# KiCad board I2CShimForPico-panel.kicad_pcb
title: I2C SHIM for Pico; date: 2025-05-10; rev: 1.0; company: Salvatore La Bua
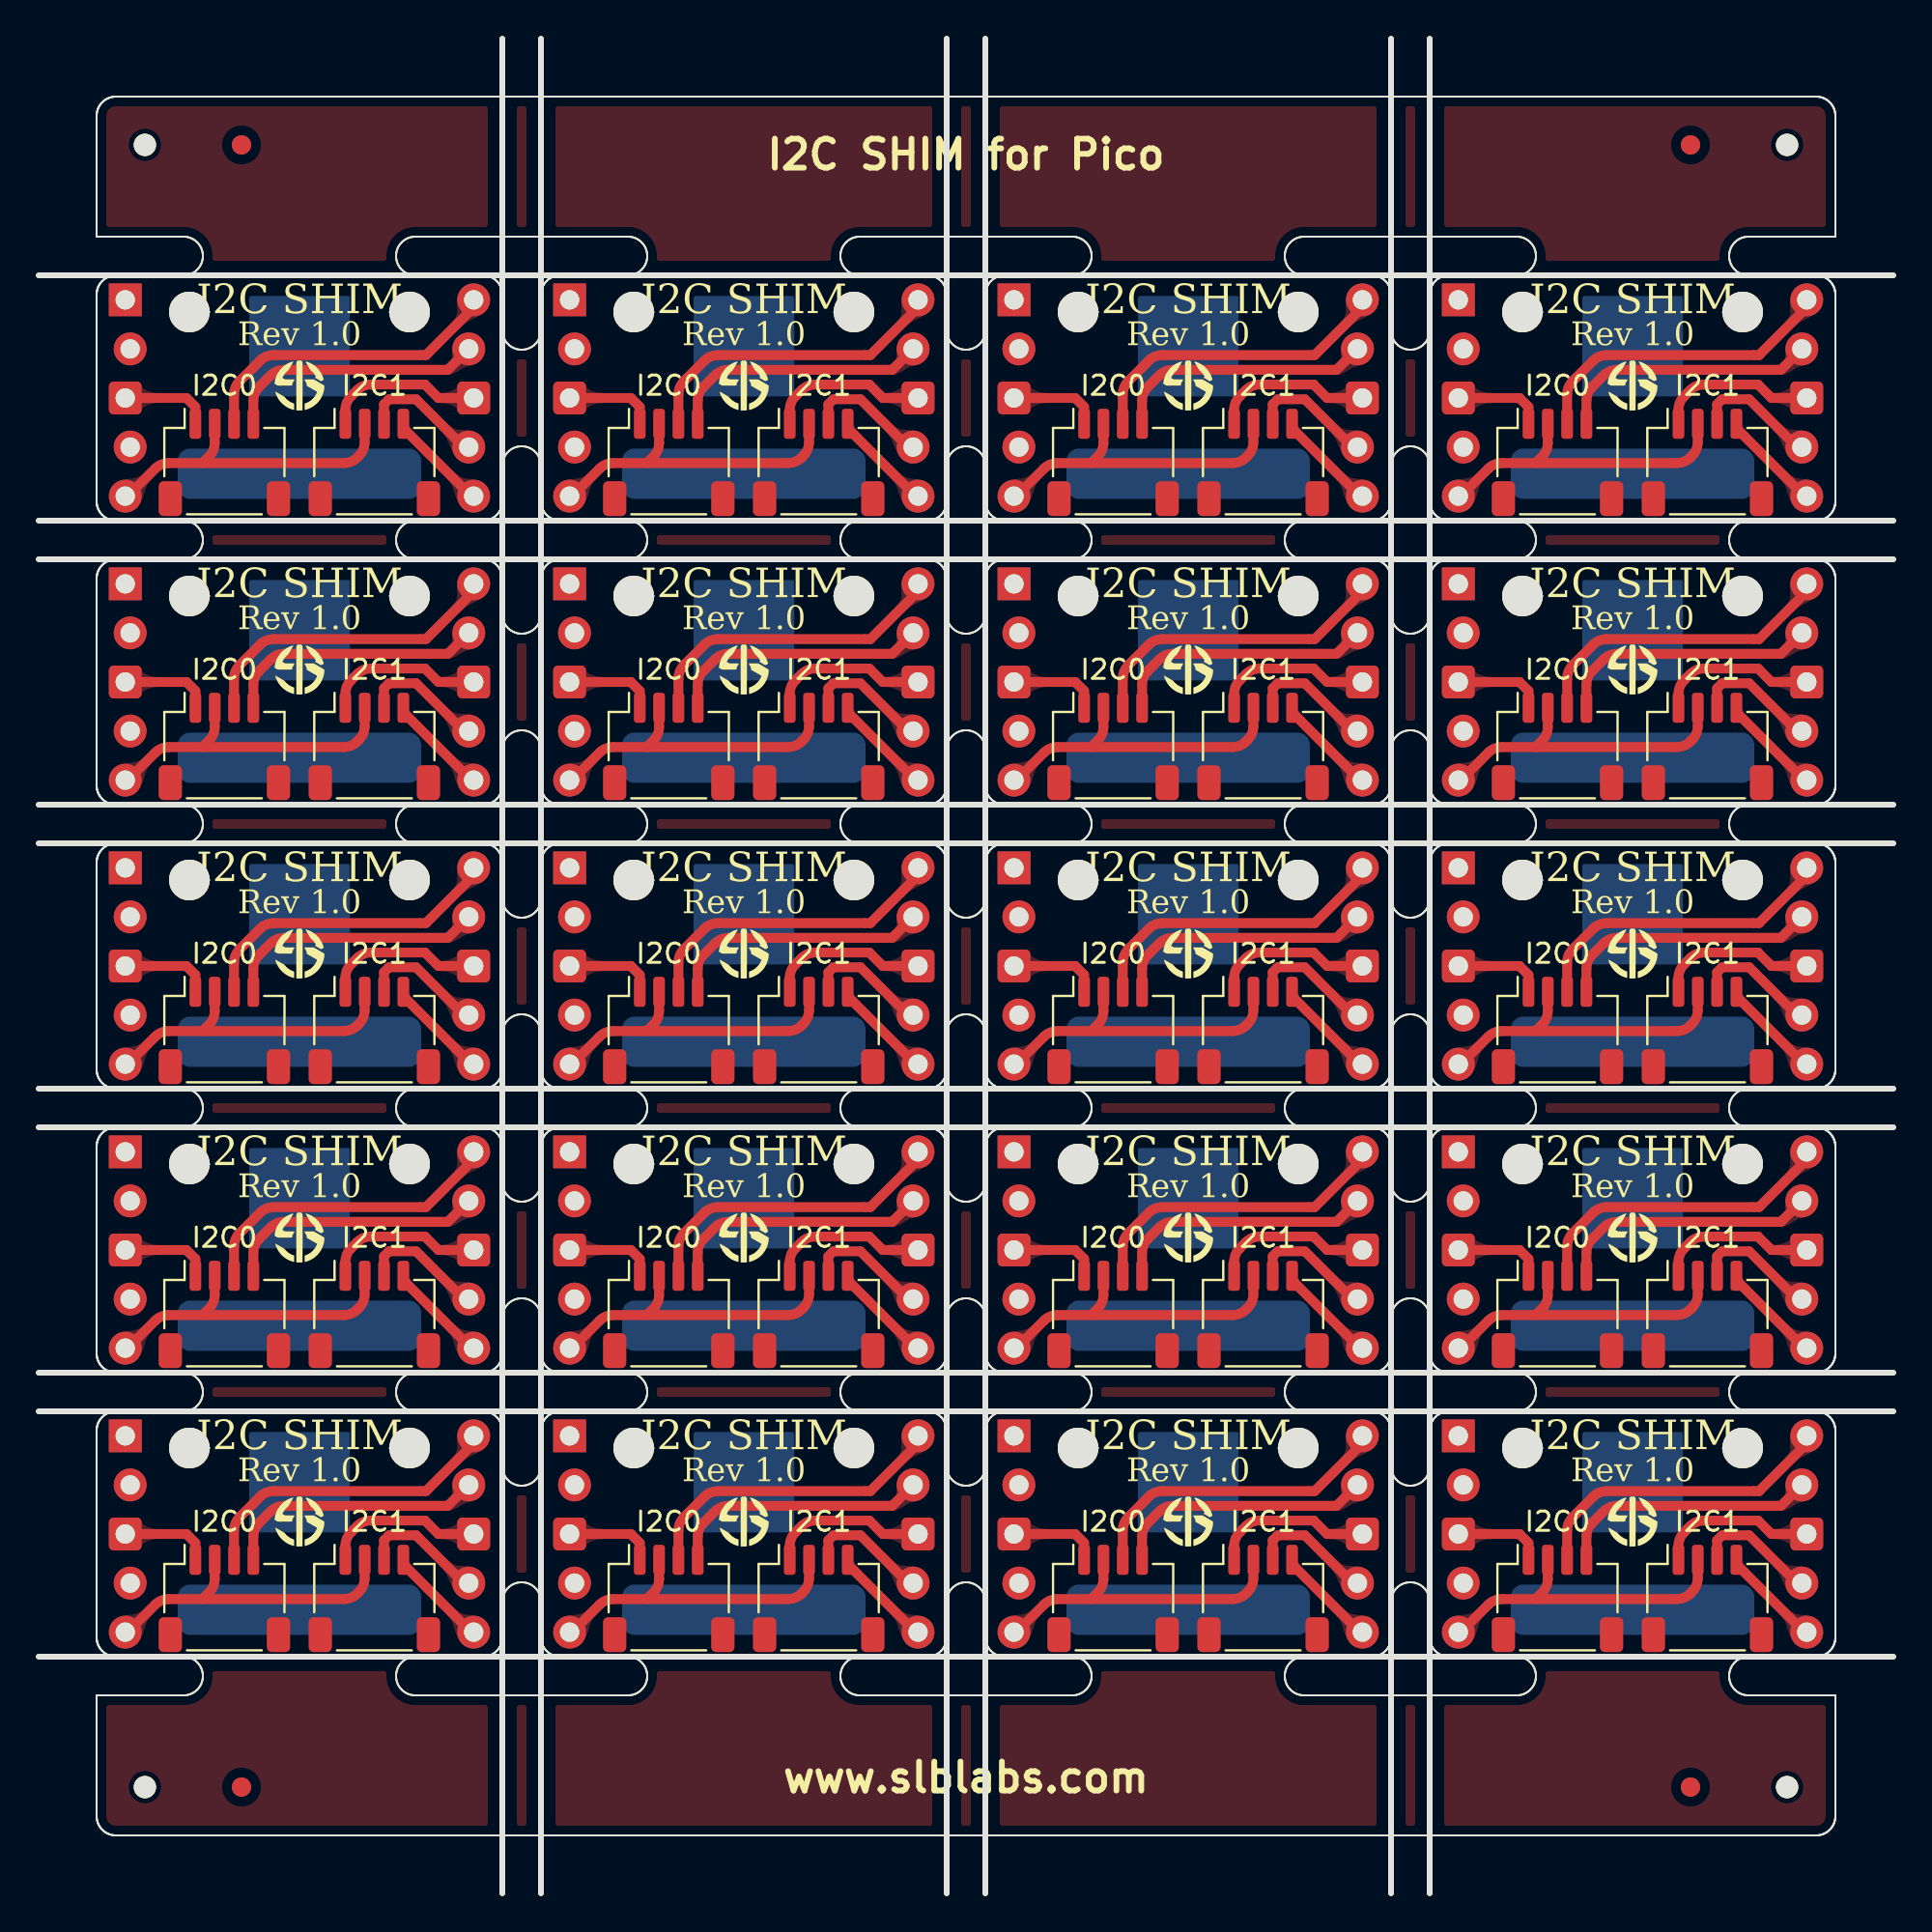
[diagram p0: board, top side]
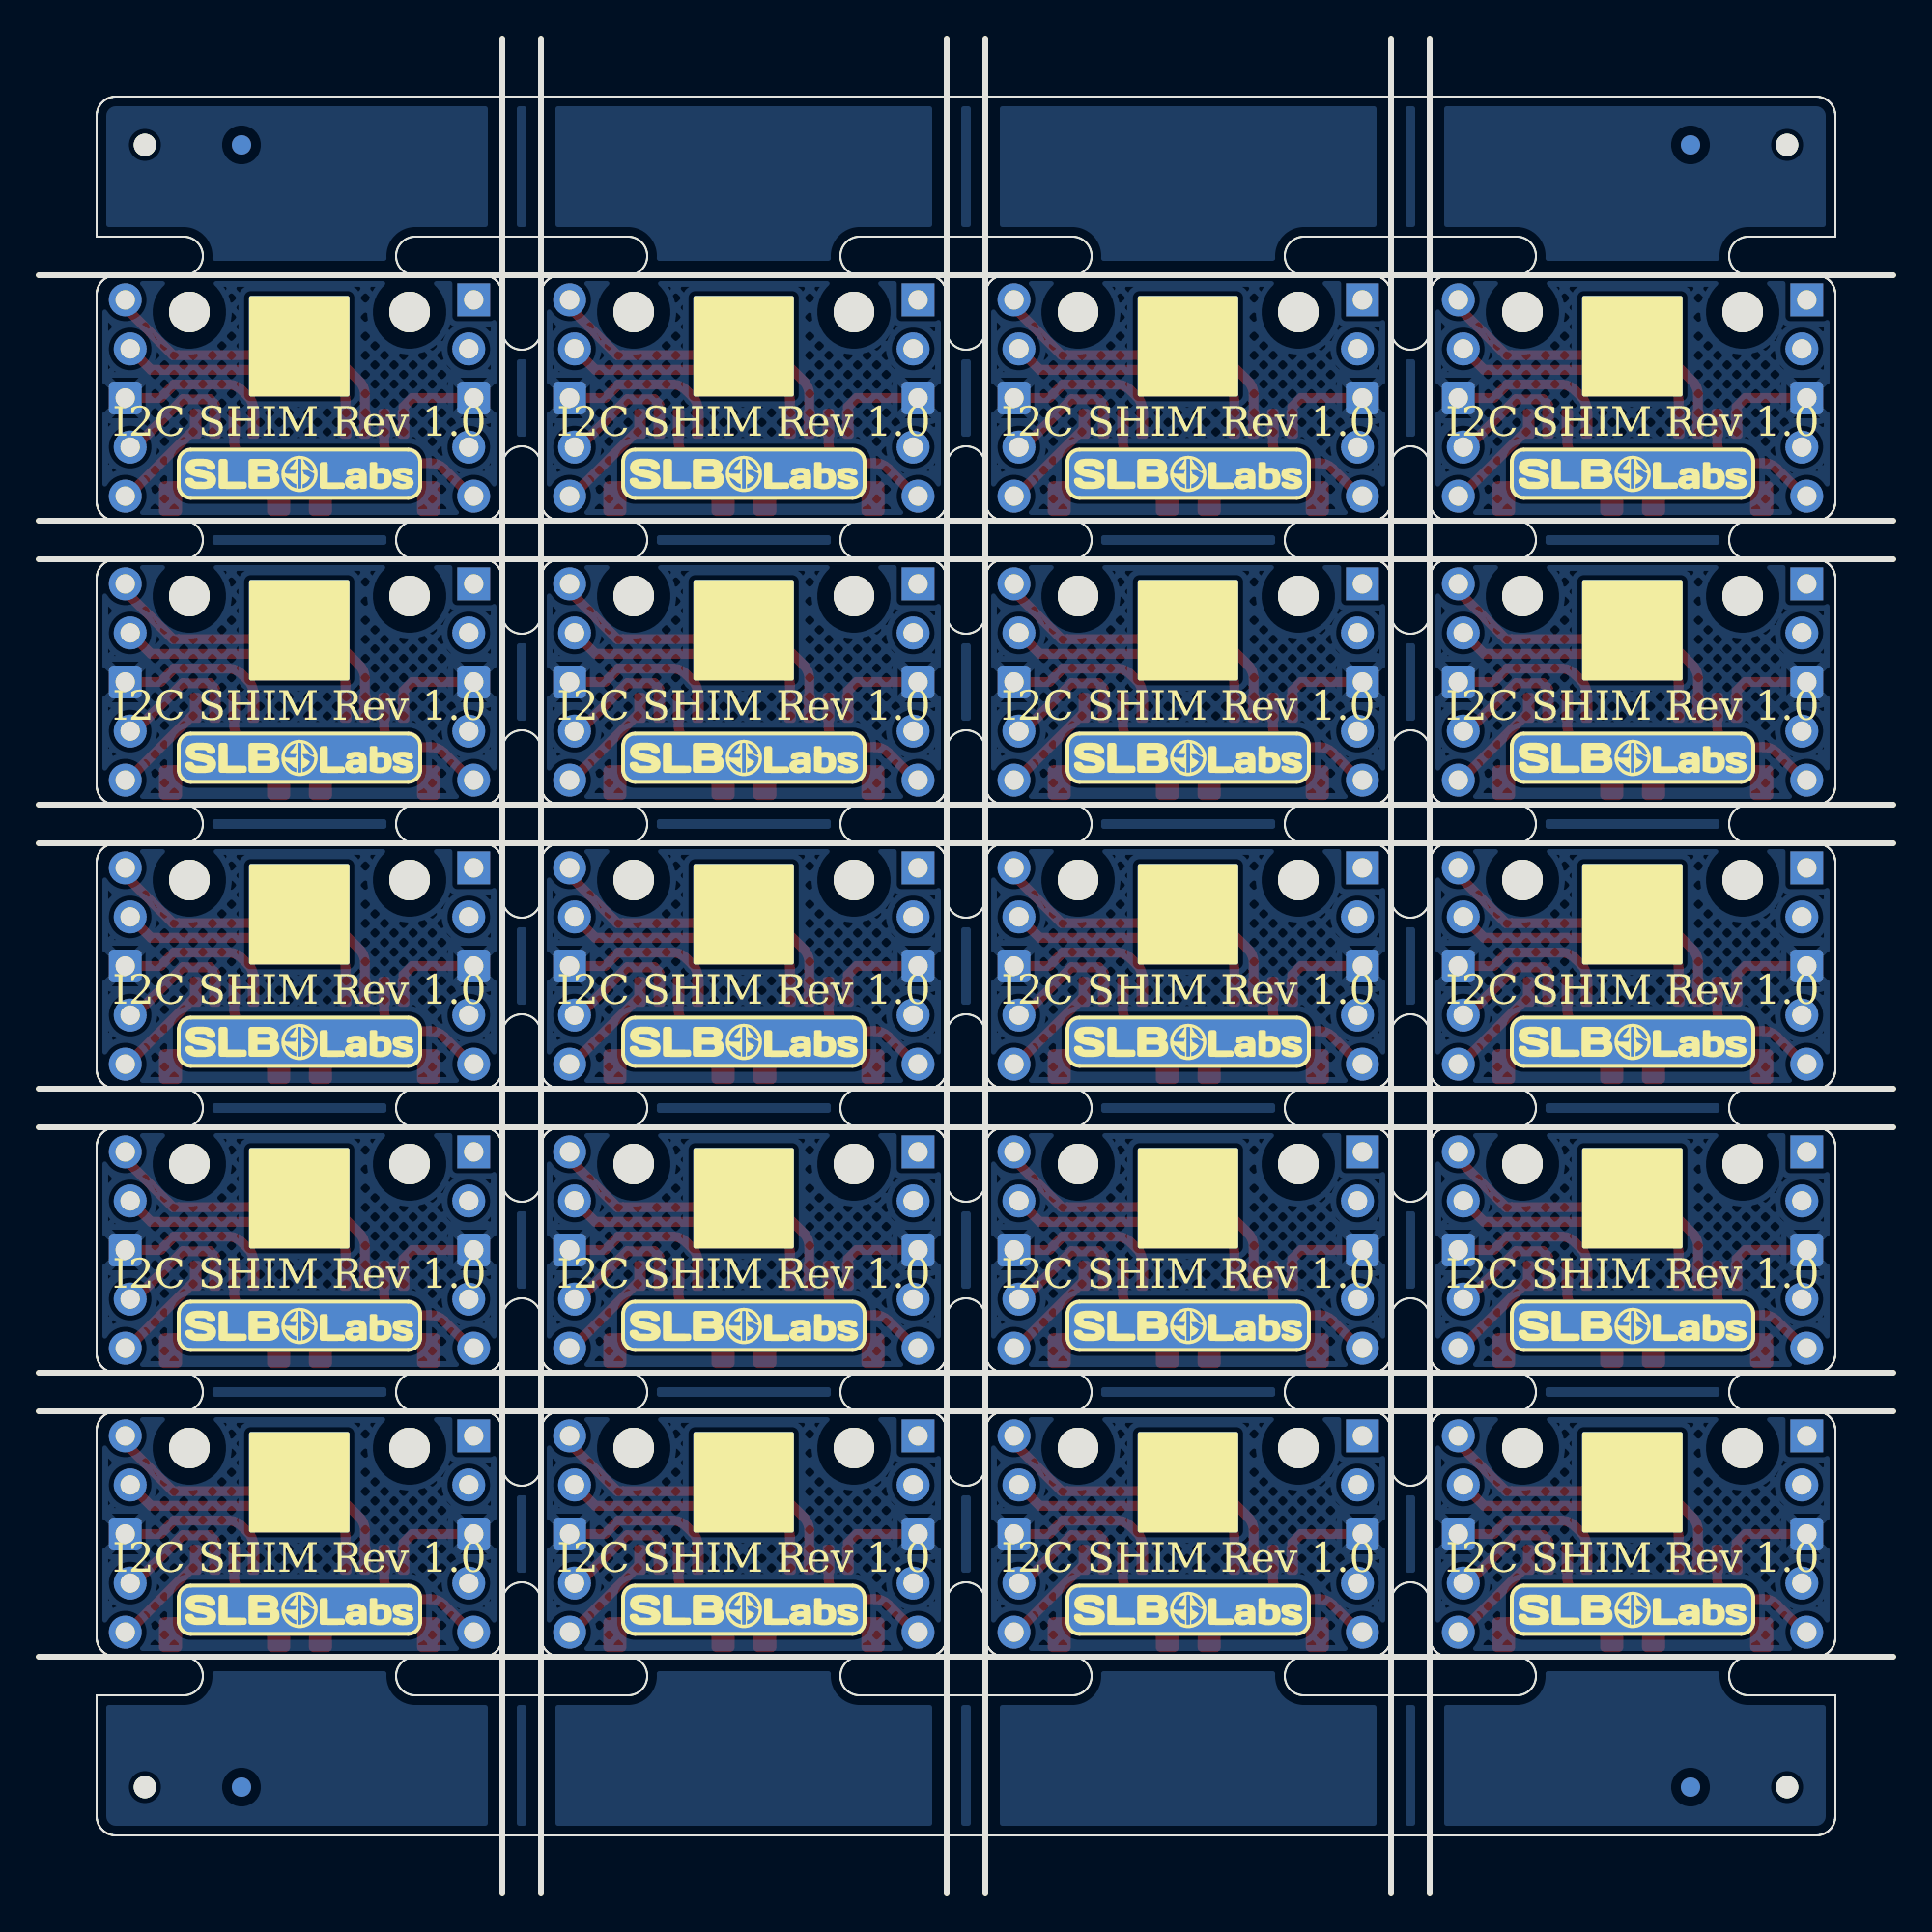
[diagram p1: board, bottom side, seen from below]

Outline 96 x 96 mm; copper layers: Top, Bottom. Coordinates in mm from the lower left corner of the outline.
Stack: Top 0.035mm / dielectric 0.91mm FR4 er 4.5 / Bottom 0.035mm

## Placement (name value [footprint] x y rotation side)
G***  -  [SLBLabs LOGO full w-border]  36.5 14.68 180 bottom
G***#2  -  [SLBLabs LOGO full w-border]  36.5 44.08 180 bottom
G***#3  -  [SLBLabs LOGO full w-border]  59.5 73.48 180 bottom
G***#4  -  [SLBLabs LOGO full w-border]  82.5 44.08 180 bottom
G***#5  -  [SLBLabs LOGO full w-border]  13.5 58.78 180 bottom
G***#6  -  [SLBLabs LOGO full w-border]  13.5 29.38 180 bottom
G***#7  -  [SLBLabs LOGO full w-border]  82.5 58.78 180 bottom
G***#8  -  [SLBLabs LOGO full w-border]  82.5 29.38 180 bottom
G***#9  -  [SLBLabs LOGO full w-border]  59.5 44.08 180 bottom
G***#10  -  [SLBLabs LOGO full w-border]  59.5 58.78 180 bottom
G***#11  -  [SLBLabs LOGO full w-border]  82.5 73.48 180 bottom
G***#12  -  [SLBLabs LOGO full w-border]  36.5 29.38 180 bottom
G***#13  -  [SLBLabs LOGO full w-border]  13.5 73.48 180 bottom
G***#14  -  [SLBLabs LOGO full w-border]  13.5 44.08 180 bottom
G***#15  -  [SLBLabs LOGO full w-border]  36.5 58.78 180 bottom
G***#16  -  [SLBLabs LOGO full w-border]  82.5 14.68 180 bottom
G***#17  -  [SLBLabs LOGO full w-border]  36.5 73.48 180 bottom
G***#18  -  [SLBLabs LOGO full w-border]  59.5 29.38 180 bottom
G***#19  -  [SLBLabs LOGO full w-border]  59.5 14.68 180 bottom
G***#20  -  [SLBLabs LOGO full w-border]  13.5 14.68 180 bottom
J1  Conn_01x05_Pin  [PinHeader_1x05_P2.54mm_Vertical]  50.61 67.78 0 top
J1#2  Conn_01x05_Pin  [PinHeader_1x05_P2.54mm_Vertical]  50.61 23.68 0 top
J1#3  Conn_01x05_Pin  [PinHeader_1x05_P2.54mm_Vertical]  4.61 53.08 0 top
J1#4  Conn_01x05_Pin  [PinHeader_1x05_P2.54mm_Vertical]  4.61 38.38 0 top
J1#5  Conn_01x05_Pin  [PinHeader_1x05_P2.54mm_Vertical]  73.61 23.68 0 top
J1#6  Conn_01x05_Pin  [PinHeader_1x05_P2.54mm_Vertical]  50.61 82.48 0 top
J1#7  Conn_01x05_Pin  [PinHeader_1x05_P2.54mm_Vertical]  50.61 38.38 0 top
J1#8  Conn_01x05_Pin  [PinHeader_1x05_P2.54mm_Vertical]  27.61 23.68 0 top
J1#9  Conn_01x05_Pin  [PinHeader_1x05_P2.54mm_Vertical]  4.61 67.78 0 top
J1#10  Conn_01x05_Pin  [PinHeader_1x05_P2.54mm_Vertical]  27.61 67.78 0 top
J1#11  Conn_01x05_Pin  [PinHeader_1x05_P2.54mm_Vertical]  73.61 82.48 0 top
J1#12  Conn_01x05_Pin  [PinHeader_1x05_P2.54mm_Vertical]  73.61 38.38 0 top
J1#13  Conn_01x05_Pin  [PinHeader_1x05_P2.54mm_Vertical]  27.61 53.08 0 top
J1#14  Conn_01x05_Pin  [PinHeader_1x05_P2.54mm_Vertical]  4.61 82.48 0 top
J1#15  Conn_01x05_Pin  [PinHeader_1x05_P2.54mm_Vertical]  73.61 67.78 0 top
J1#16  Conn_01x05_Pin  [PinHeader_1x05_P2.54mm_Vertical]  27.61 38.38 0 top
J1#17  Conn_01x05_Pin  [PinHeader_1x05_P2.54mm_Vertical]  27.61 82.48 0 top
J1#18  Conn_01x05_Pin  [PinHeader_1x05_P2.54mm_Vertical]  50.61 53.08 0 top
J1#19  Conn_01x05_Pin  [PinHeader_1x05_P2.54mm_Vertical]  73.61 53.08 0 top
J1#20  Conn_01x05_Pin  [PinHeader_1x05_P2.54mm_Vertical]  4.61 23.68 0 top
J2  Conn_01x05_Pin  [PinHeader_1x05_P2.54mm_Vertical#2]  91.39 38.38 0 top
J2#2  Conn_01x05_Pin  [PinHeader_1x05_P2.54mm_Vertical#2]  45.39 67.78 0 top
J2#3  Conn_01x05_Pin  [PinHeader_1x05_P2.54mm_Vertical#2]  22.39 23.68 0 top
J2#4  Conn_01x05_Pin  [PinHeader_1x05_P2.54mm_Vertical#2]  91.39 67.78 0 top
J2#5  Conn_01x05_Pin  [PinHeader_1x05_P2.54mm_Vertical#2]  91.39 23.68 0 top
J2#6  Conn_01x05_Pin  [PinHeader_1x05_P2.54mm_Vertical#2]  45.39 23.68 0 top
J2#7  Conn_01x05_Pin  [PinHeader_1x05_P2.54mm_Vertical#2]  22.39 38.38 0 top
J2#8  Conn_01x05_Pin  [PinHeader_1x05_P2.54mm_Vertical#2]  22.39 53.08 0 top
J2#9  Conn_01x05_Pin  [PinHeader_1x05_P2.54mm_Vertical#2]  22.39 67.78 0 top
J2#10  Conn_01x05_Pin  [PinHeader_1x05_P2.54mm_Vertical#2]  68.39 23.68 0 top
J2#11  Conn_01x05_Pin  [PinHeader_1x05_P2.54mm_Vertical#2]  45.39 53.08 0 top
J2#12  Conn_01x05_Pin  [PinHeader_1x05_P2.54mm_Vertical#2]  68.39 82.48 0 top
J2#13  Conn_01x05_Pin  [PinHeader_1x05_P2.54mm_Vertical#2]  68.39 53.08 0 top
J2#14  Conn_01x05_Pin  [PinHeader_1x05_P2.54mm_Vertical#2]  68.39 38.38 0 top
J2#15  Conn_01x05_Pin  [PinHeader_1x05_P2.54mm_Vertical#2]  68.39 67.78 0 top
J2#16  Conn_01x05_Pin  [PinHeader_1x05_P2.54mm_Vertical#2]  45.39 82.48 0 top
J2#17  Conn_01x05_Pin  [PinHeader_1x05_P2.54mm_Vertical#2]  91.39 82.48 0 top
J2#18  Conn_01x05_Pin  [PinHeader_1x05_P2.54mm_Vertical#2]  91.39 53.08 0 top
J2#19  Conn_01x05_Pin  [PinHeader_1x05_P2.54mm_Vertical#2]  22.39 82.48 0 top
J2#20  Conn_01x05_Pin  [PinHeader_1x05_P2.54mm_Vertical#2]  45.39 38.38 0 top
J3  Conn_01x04_Socket  [SLB-JST_SH_SM04B-SRSS-TB_1x04-1MP_P1.00mm_Horizontal]  32.61 29.96 0 top
J3#2  Conn_01x04_Socket  [SLB-JST_SH_SM04B-SRSS-TB_1x04-1MP_P1.00mm_Horizontal]  78.61 15.26 0 top
J3#3  Conn_01x04_Socket  [SLB-JST_SH_SM04B-SRSS-TB_1x04-1MP_P1.00mm_Horizontal]  78.61 74.06 0 top
J3#4  Conn_01x04_Socket  [SLB-JST_SH_SM04B-SRSS-TB_1x04-1MP_P1.00mm_Horizontal]  9.61 74.06 0 top
J3#5  Conn_01x04_Socket  [SLB-JST_SH_SM04B-SRSS-TB_1x04-1MP_P1.00mm_Horizontal]  55.61 59.36 0 top
J3#6  Conn_01x04_Socket  [SLB-JST_SH_SM04B-SRSS-TB_1x04-1MP_P1.00mm_Horizontal]  32.61 74.06 0 top
J3#7  Conn_01x04_Socket  [SLB-JST_SH_SM04B-SRSS-TB_1x04-1MP_P1.00mm_Horizontal]  55.61 15.26 0 top
J3#8  Conn_01x04_Socket  [SLB-JST_SH_SM04B-SRSS-TB_1x04-1MP_P1.00mm_Horizontal]  9.61 29.96 0 top
J3#9  Conn_01x04_Socket  [SLB-JST_SH_SM04B-SRSS-TB_1x04-1MP_P1.00mm_Horizontal]  55.61 44.66 0 top
J3#10  Conn_01x04_Socket  [SLB-JST_SH_SM04B-SRSS-TB_1x04-1MP_P1.00mm_Horizontal]  55.61 29.96 0 top
J3#11  Conn_01x04_Socket  [SLB-JST_SH_SM04B-SRSS-TB_1x04-1MP_P1.00mm_Horizontal]  9.61 59.36 0 top
J3#12  Conn_01x04_Socket  [SLB-JST_SH_SM04B-SRSS-TB_1x04-1MP_P1.00mm_Horizontal]  78.61 59.36 0 top
J3#13  Conn_01x04_Socket  [SLB-JST_SH_SM04B-SRSS-TB_1x04-1MP_P1.00mm_Horizontal]  78.61 29.96 0 top
J3#14  Conn_01x04_Socket  [SLB-JST_SH_SM04B-SRSS-TB_1x04-1MP_P1.00mm_Horizontal]  9.61 15.26 0 top
J3#15  Conn_01x04_Socket  [SLB-JST_SH_SM04B-SRSS-TB_1x04-1MP_P1.00mm_Horizontal]  55.61 74.06 0 top
J3#16  Conn_01x04_Socket  [SLB-JST_SH_SM04B-SRSS-TB_1x04-1MP_P1.00mm_Horizontal]  32.61 59.36 0 top
J3#17  Conn_01x04_Socket  [SLB-JST_SH_SM04B-SRSS-TB_1x04-1MP_P1.00mm_Horizontal]  9.61 44.66 0 top
J3#18  Conn_01x04_Socket  [SLB-JST_SH_SM04B-SRSS-TB_1x04-1MP_P1.00mm_Horizontal]  32.61 44.66 0 top
J3#19  Conn_01x04_Socket  [SLB-JST_SH_SM04B-SRSS-TB_1x04-1MP_P1.00mm_Horizontal]  32.61 15.26 0 top
J3#20  Conn_01x04_Socket  [SLB-JST_SH_SM04B-SRSS-TB_1x04-1MP_P1.00mm_Horizontal]  78.61 44.66 0 top
J4  Conn_01x04_Socket  [SLB-JST_SH_SM04B-SRSS-TB_1x04-1MP_P1.00mm_Horizontal]  86.38 44.66 0 top
J4#2  Conn_01x04_Socket  [SLB-JST_SH_SM04B-SRSS-TB_1x04-1MP_P1.00mm_Horizontal]  63.38 44.66 0 top
J4#3  Conn_01x04_Socket  [SLB-JST_SH_SM04B-SRSS-TB_1x04-1MP_P1.00mm_Horizontal]  17.38 15.26 0 top
J4#4  Conn_01x04_Socket  [SLB-JST_SH_SM04B-SRSS-TB_1x04-1MP_P1.00mm_Horizontal]  17.38 44.66 0 top
J4#5  Conn_01x04_Socket  [SLB-JST_SH_SM04B-SRSS-TB_1x04-1MP_P1.00mm_Horizontal]  86.38 59.36 0 top
J4#6  Conn_01x04_Socket  [SLB-JST_SH_SM04B-SRSS-TB_1x04-1MP_P1.00mm_Horizontal]  86.38 74.06 0 top
J4#7  Conn_01x04_Socket  [SLB-JST_SH_SM04B-SRSS-TB_1x04-1MP_P1.00mm_Horizontal]  63.38 15.26 0 top
J4#8  Conn_01x04_Socket  [SLB-JST_SH_SM04B-SRSS-TB_1x04-1MP_P1.00mm_Horizontal]  63.38 29.96 0 top
J4#9  Conn_01x04_Socket  [SLB-JST_SH_SM04B-SRSS-TB_1x04-1MP_P1.00mm_Horizontal]  17.38 74.06 0 top
J4#10  Conn_01x04_Socket  [SLB-JST_SH_SM04B-SRSS-TB_1x04-1MP_P1.00mm_Horizontal]  40.38 74.06 0 top
J4#11  Conn_01x04_Socket  [SLB-JST_SH_SM04B-SRSS-TB_1x04-1MP_P1.00mm_Horizontal]  40.38 59.36 0 top
J4#12  Conn_01x04_Socket  [SLB-JST_SH_SM04B-SRSS-TB_1x04-1MP_P1.00mm_Horizontal]  40.38 29.96 0 top
J4#13  Conn_01x04_Socket  [SLB-JST_SH_SM04B-SRSS-TB_1x04-1MP_P1.00mm_Horizontal]  63.38 59.36 0 top
J4#14  Conn_01x04_Socket  [SLB-JST_SH_SM04B-SRSS-TB_1x04-1MP_P1.00mm_Horizontal]  17.38 29.96 0 top
J4#15  Conn_01x04_Socket  [SLB-JST_SH_SM04B-SRSS-TB_1x04-1MP_P1.00mm_Horizontal]  86.38 29.96 0 top
J4#16  Conn_01x04_Socket  [SLB-JST_SH_SM04B-SRSS-TB_1x04-1MP_P1.00mm_Horizontal]  86.38 15.26 0 top
J4#17  Conn_01x04_Socket  [SLB-JST_SH_SM04B-SRSS-TB_1x04-1MP_P1.00mm_Horizontal]  17.38 59.36 0 top
J4#18  Conn_01x04_Socket  [SLB-JST_SH_SM04B-SRSS-TB_1x04-1MP_P1.00mm_Horizontal]  63.38 74.06 0 top
J4#19  Conn_01x04_Socket  [SLB-JST_SH_SM04B-SRSS-TB_1x04-1MP_P1.00mm_Horizontal]  40.38 44.66 0 top
J4#20  Conn_01x04_Socket  [SLB-JST_SH_SM04B-SRSS-TB_1x04-1MP_P1.00mm_Horizontal]  40.38 15.26 0 top
KiKit_FID_B_1  -  [Fiducial]  10.5 90.5 180 bottom
KiKit_FID_B_2  -  [Fiducial]  85.5 90.5 180 bottom
KiKit_FID_B_3  -  [Fiducial]  10.5 5.5 180 bottom
KiKit_FID_B_4  -  [Fiducial]  85.5 5.5 180 bottom
KiKit_FID_T_1  -  [Fiducial]  10.5 90.5 0 top
KiKit_FID_T_2  -  [Fiducial]  85.5 90.5 0 top
KiKit_FID_T_3  -  [Fiducial]  10.5 5.5 0 top
KiKit_FID_T_4  -  [Fiducial]  85.5 5.5 0 top
KiKit_TO_1  -  [NPTH]  5.5 90.5 0 top
KiKit_TO_2  -  [NPTH]  90.5 90.5 0 top
KiKit_TO_3  -  [NPTH]  5.5 5.5 0 top
KiKit_TO_4  -  [NPTH]  90.5 5.5 0 top
Ref**  -  [SLBLabs LOGO only]  13.5 78.04 0 top
REF**  -  [MountingHole_2.1mm]  42.2 67.15 0 top
Ref**#2  -  [SLBLabs LOGO only]  36.5 48.64 0 top
REF**#2  -  [MountingHole_2.1mm]  30.8 81.85 0 top
Ref**#3  -  [SLBLabs LOGO only]  59.5 19.24 0 top
REF**#3  -  [MountingHole_2.1mm]  30.8 23.05 0 top
REF**#4  -  [MountingHole_2.1mm]  76.8 23.05 0 top
Ref**#4  -  [SLBLabs LOGO only]  59.5 33.94 0 top
REF**#5  -  [MountingHole_2.1mm]  65.2 37.75 0 top
Ref**#5  -  [SLBLabs LOGO only]  59.5 63.34 0 top
REF**#6  -  [MountingHole_2.1mm]  19.2 52.45 0 top
Ref**#6  -  [SLBLabs LOGO only]  36.5 33.94 0 top
REF**#7  -  [MountingHole_2.1mm]  65.2 23.05 0 top
Ref**#7  -  [SLBLabs LOGO only]  13.5 48.64 0 top
REF**#8  -  [MountingHole_2.1mm]  7.8 81.85 0 top
Ref**#8  -  [SLBLabs LOGO only]  13.5 63.34 0 top
REF**#9  -  [MountingHole_2.1mm]  42.2 23.05 0 top
Ref**#9  -  [SLBLabs LOGO only]  36.5 63.34 0 top
REF**#10  -  [MountingHole_2.1mm]  53.8 37.75 0 top
Ref**#10  -  [SLBLabs LOGO only]  82.5 19.24 0 top
REF**#11  -  [MountingHole_2.1mm]  76.8 81.85 0 top
Ref**#11  -  [SLBLabs LOGO only]  82.5 78.04 0 top
REF**#12  -  [MountingHole_2.1mm]  65.2 81.85 0 top
Ref**#12  -  [SLBLabs LOGO only]  82.5 48.64 0 top
REF**#13  -  [MountingHole_2.1mm]  30.8 37.75 0 top
Ref**#13  -  [SLBLabs LOGO only]  13.5 33.94 0 top
REF**#14  -  [MountingHole_2.1mm]  30.8 52.45 0 top
Ref**#14  -  [SLBLabs LOGO only]  59.5 78.04 0 top
REF**#15  -  [MountingHole_2.1mm]  65.2 52.45 0 top
Ref**#15  -  [SLBLabs LOGO only]  13.5 19.24 0 top
REF**#16  -  [MountingHole_2.1mm]  88.2 52.45 0 top
Ref**#16  -  [SLBLabs LOGO only]  36.5 78.04 0 top
REF**#17  -  [MountingHole_2.1mm]  53.8 81.85 0 top
Ref**#17  -  [SLBLabs LOGO only]  82.5 63.34 0 top
REF**#18  -  [MountingHole_2.1mm]  7.8 67.15 0 top
Ref**#18  -  [SLBLabs LOGO only]  36.5 19.24 0 top
REF**#19  -  [MountingHole_2.1mm]  42.2 52.45 0 top
Ref**#19  -  [SLBLabs LOGO only]  82.5 33.94 0 top
REF**#20  -  [MountingHole_2.1mm]  53.8 67.15 0 top
Ref**#20  -  [SLBLabs LOGO only]  59.5 48.64 0 top
REF**#21  -  [MountingHole_2.1mm]  19.2 81.85 0 top
REF**#22  -  [MountingHole_2.1mm]  88.2 67.15 0 top
REF**#23  -  [MountingHole_2.1mm]  53.8 23.05 0 top
REF**#24  -  [MountingHole_2.1mm]  76.8 37.75 0 top
REF**#25  -  [MountingHole_2.1mm]  19.2 23.05 0 top
REF**#26  -  [MountingHole_2.1mm]  19.2 37.75 0 top
REF**#27  -  [MountingHole_2.1mm]  88.2 37.75 0 top
REF**#28  -  [MountingHole_2.1mm]  7.8 37.75 0 top
REF**#29  -  [MountingHole_2.1mm]  19.2 67.15 0 top
REF**#30  -  [MountingHole_2.1mm]  42.2 37.75 0 top
REF**#31  -  [MountingHole_2.1mm]  65.2 67.15 0 top
REF**#32  -  [MountingHole_2.1mm]  88.2 81.85 0 top
REF**#33  -  [MountingHole_2.1mm]  30.8 67.15 0 top
REF**#34  -  [MountingHole_2.1mm]  76.8 67.15 0 top
REF**#35  -  [MountingHole_2.1mm]  88.2 23.05 0 top
REF**#36  -  [MountingHole_2.1mm]  7.8 52.45 0 top
REF**#37  -  [MountingHole_2.1mm]  7.8 23.05 0 top
REF**#38  -  [MountingHole_2.1mm]  42.2 81.85 0 top
REF**#39  -  [MountingHole_2.1mm]  76.8 52.45 0 top
REF**#40  -  [MountingHole_2.1mm]  53.8 52.45 0 top

## Library data of the parts
J1 J1#2-J1#20 J2 J2#2-J2#20 = -: Description: Generic connector, single row, 01x05, script generated
J3 J3#2-J3#20 J4 J4#2-J4#20 = -: Description: Generic connector, single row, 01x04, script generated; LCSC: C160404

## Footprints (pads in the part's own frame, mm; a bottom-side part is the same pattern mirrored in y, then rotated)
Fiducial
  round 1 smd: (0,0)
MountingHole_2.1mm
  round 3.5 hole 2.1 unplated: (0,0)
NPTH
  round 1.152 hole 1.152 unplated: (0,0)
PinHeader_1x05_P2.54mm_Vertical
  round 1.7 hole 1: 36(-0.127,-10.16) 37(0.127,-7.62) 39(0.127,-2.54)
  rrect 1.7x1.7 hole 1: 38(-0.127,-5.08)
  rect 1.7x1.7 hole 1: 40(-0.127,0)
PinHeader_1x05_P2.54mm_Vertical#2
  round 1.7 hole 1: 1(0.127,0) 2(-0.127,-2.54) 4(-0.127,-7.62) 5(0.127,-10.16)
  rrect 1.7x1.7 hole 1: 3(0.127,-5.08)
SLB-JST_SH_SM04B-SRSS-TB_1x04-1MP_P1.00mm_Horizontal
  rrect 0.6x1.55 smd: 1(-1.5,2) 2(-0.5,2) 3(0.5,2) 4(1.5,2)
  rrect 1.2x1.8 smd: MP(-2.8,-1.875) MP(2.8,-1.875)

## Nets
Board_0-3V3: J1#14.36 J3#4.2 J4#9.2
Board_0-GND: J1#14.38 J2#19.3 J3#4.1 J4#9.1
Board_0-I2C0+: J2#19.1 J3#4.3
Board_0-I2C0-: J2#19.2 J3#4.4
Board_0-I2C1+: J2#19.4 J4#9.3
Board_0-I2C1-: J2#19.5 J4#9.4
Board_0-unconnected-(J1-Pin_37-Pad37): J1#14.37
Board_0-VBUS: J1#14.40
Board_0-VSYS: J1#14.39
Board_1-3V3: J1#17.36 J3#6.2 J4#10.2
Board_1-GND: J1#17.38 J2#16.3 J3#6.1 J4#10.1
Board_1-I2C0+: J2#16.1 J3#6.3
Board_1-I2C0-: J2#16.2 J3#6.4
Board_1-I2C1+: J2#16.4 J4#10.3
Board_1-I2C1-: J2#16.5 J4#10.4
Board_1-unconnected-(J1-Pin_37-Pad37): J1#17.37
Board_1-VBUS: J1#17.40
Board_1-VSYS: J1#17.39
Board_2-3V3: J1#6.36 J3#15.2 J4#18.2
Board_2-GND: J1#6.38 J2#12.3 J3#15.1 J4#18.1
Board_2-I2C0+: J2#12.1 J3#15.3
Board_2-I2C0-: J2#12.2 J3#15.4
Board_2-I2C1+: J2#12.4 J4#18.3
Board_2-I2C1-: J2#12.5 J4#18.4
Board_2-unconnected-(J1-Pin_37-Pad37): J1#6.37
Board_2-VBUS: J1#6.40
Board_2-VSYS: J1#6.39
Board_3-3V3: J1#11.36 J3#3.2 J4#6.2
Board_3-GND: J1#11.38 J2#17.3 J3#3.1 J4#6.1
Board_3-I2C0+: J2#17.1 J3#3.3
Board_3-I2C0-: J2#17.2 J3#3.4
Board_3-I2C1+: J2#17.4 J4#6.3
Board_3-I2C1-: J2#17.5 J4#6.4
Board_3-unconnected-(J1-Pin_37-Pad37): J1#11.37
Board_3-VBUS: J1#11.40
Board_3-VSYS: J1#11.39
Board_4-3V3: J1#9.36 J3#11.2 J4#17.2
Board_4-GND: J1#9.38 J2#9.3 J3#11.1 J4#17.1
Board_4-I2C0+: J2#9.1 J3#11.3
Board_4-I2C0-: J2#9.2 J3#11.4
Board_4-I2C1+: J2#9.4 J4#17.3
Board_4-I2C1-: J2#9.5 J4#17.4
Board_4-unconnected-(J1-Pin_37-Pad37): J1#9.37
Board_4-VBUS: J1#9.40
Board_4-VSYS: J1#9.39
Board_5-3V3: J1#10.36 J3#16.2 J4#11.2
Board_5-GND: J1#10.38 J2#2.3 J3#16.1 J4#11.1
Board_5-I2C0+: J2#2.1 J3#16.3
Board_5-I2C0-: J2#2.2 J3#16.4
Board_5-I2C1+: J2#2.4 J4#11.3
Board_5-I2C1-: J2#2.5 J4#11.4
Board_5-unconnected-(J1-Pin_37-Pad37): J1#10.37
Board_5-VBUS: J1#10.40
Board_5-VSYS: J1#10.39
Board_6-3V3: J1.36 J3#5.2 J4#13.2
Board_6-GND: J1.38 J2#15.3 J3#5.1 J4#13.1
Board_6-I2C0+: J2#15.1 J3#5.3
Board_6-I2C0-: J2#15.2 J3#5.4
Board_6-I2C1+: J2#15.4 J4#13.3
Board_6-I2C1-: J2#15.5 J4#13.4
Board_6-unconnected-(J1-Pin_37-Pad37): J1.37
Board_6-VBUS: J1.40
Board_6-VSYS: J1.39
Board_7-3V3: J1#15.36 J3#12.2 J4#5.2
Board_7-GND: J1#15.38 J2#4.3 J3#12.1 J4#5.1
Board_7-I2C0+: J2#4.1 J3#12.3
Board_7-I2C0-: J2#4.2 J3#12.4
Board_7-I2C1+: J2#4.4 J4#5.3
Board_7-I2C1-: J2#4.5 J4#5.4
Board_7-unconnected-(J1-Pin_37-Pad37): J1#15.37
Board_7-VBUS: J1#15.40
Board_7-VSYS: J1#15.39
Board_8-3V3: J1#3.36 J3#17.2 J4#4.2
Board_8-GND: J1#3.38 J2#8.3 J3#17.1 J4#4.1
Board_8-I2C0+: J2#8.1 J3#17.3
Board_8-I2C0-: J2#8.2 J3#17.4
Board_8-I2C1+: J2#8.4 J4#4.3
Board_8-I2C1-: J2#8.5 J4#4.4
Board_8-unconnected-(J1-Pin_37-Pad37): J1#3.37
Board_8-VBUS: J1#3.40
Board_8-VSYS: J1#3.39
Board_9-3V3: J1#13.36 J3#18.2 J4#19.2
Board_9-GND: J1#13.38 J2#11.3 J3#18.1 J4#19.1
Board_9-I2C0+: J2#11.1 J3#18.3
Board_9-I2C0-: J2#11.2 J3#18.4
Board_9-I2C1+: J2#11.4 J4#19.3
Board_9-I2C1-: J2#11.5 J4#19.4
Board_9-unconnected-(J1-Pin_37-Pad37): J1#13.37
Board_9-VBUS: J1#13.40
Board_9-VSYS: J1#13.39
Board_10-3V3: J1#18.36 J3#9.2 J4#2.2
Board_10-GND: J1#18.38 J2#13.3 J3#9.1 J4#2.1
Board_10-I2C0+: J2#13.1 J3#9.3
Board_10-I2C0-: J2#13.2 J3#9.4
Board_10-I2C1+: J2#13.4 J4#2.3
Board_10-I2C1-: J2#13.5 J4#2.4
Board_10-unconnected-(J1-Pin_37-Pad37): J1#18.37
Board_10-VBUS: J1#18.40
Board_10-VSYS: J1#18.39
Board_11-3V3: J1#19.36 J3#20.2 J4.2
Board_11-GND: J1#19.38 J2#18.3 J3#20.1 J4.1
Board_11-I2C0+: J2#18.1 J3#20.3
Board_11-I2C0-: J2#18.2 J3#20.4
Board_11-I2C1+: J2#18.4 J4.3
Board_11-I2C1-: J2#18.5 J4.4
Board_11-unconnected-(J1-Pin_37-Pad37): J1#19.37
Board_11-VBUS: J1#19.40
Board_11-VSYS: J1#19.39
Board_12-3V3: J1#4.36 J3#8.2 J4#14.2
Board_12-GND: J1#4.38 J2#7.3 J3#8.1 J4#14.1
Board_12-I2C0+: J2#7.1 J3#8.3
Board_12-I2C0-: J2#7.2 J3#8.4
Board_12-I2C1+: J2#7.4 J4#14.3
Board_12-I2C1-: J2#7.5 J4#14.4